# Altium PCB HYDRA_V2.1_POWER.PcbDoc (part 1 of 2) (continued)
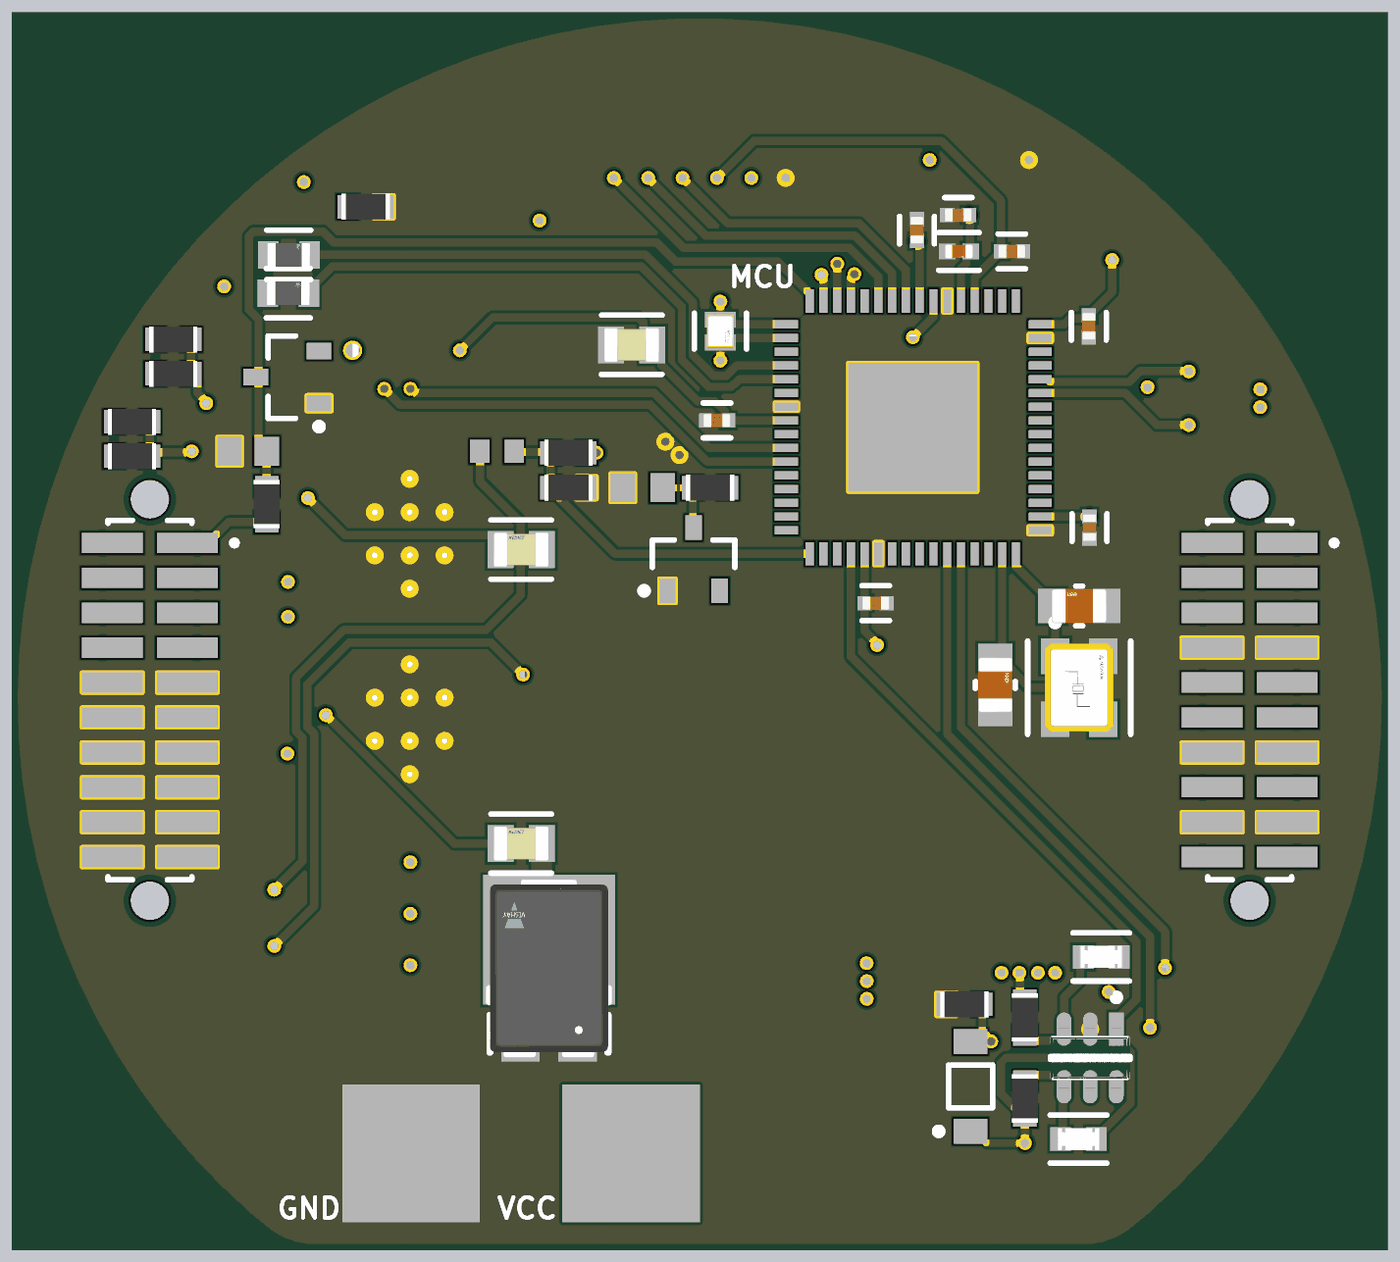
[diagram p6: 3D render of the assembled board from below, using the file's embedded part models]

## Layer stack, top to bottom
Top Solder: solder mask 0.0102, Solder Resist, Dk 3.5
Top Layer: signal copper 0.0356
Dielectric 2: prepreg 0.0711, PP-006, Dk 4.1
PWR: signal copper 0.035
Dielectric 1: dielectric 0.32, FR-4, Dk 4.8
GND: signal copper 0.035
Dielectric 3: prepreg 0.0711, PP-006, Dk 4.1
Bottom Layer: signal copper 0.0356
Bottom Solder: solder mask 0.0102, Solder Resist, Dk 3.5

## Board outline
-15.888,-19.298 ccw(c-13.96,-17) -13.96,-20 13.96,-20 ccw(c13.96,-17) 15.888,-19.298 15.868,-19.318 ccw(c0,0)

## Design rules (kind name [scope] priority, off if disabled: settings)
BoardOutlineClearance [All] p1: gap=0.2 ignorepadtopadclearanceinfootprint=FALSE
Clearance [All] p1: gap=0.102 ignorepadtopadclearanceinfootprint=FALSE except(0.127: Arc-Via Track-Via SMDPad-Via THPad-Via Via-Via Via-Fill Via-Poly Via-Region Via-Text; 0.25: Arc-Hole Track-Hole SMDPad-Hole THPad-Hole Via-Hole Fill-Hole Poly-Hole Region-Hole Text-Hole)
ComponentClearance [All] p1: gap=0.102 collisioncheckmode=3 verticalgap=0.102 showdistances=TRUE
DiffPairsRouting [All] p1: maxlimit=0.102 minlimit=0.102 mostfreqgap=0.102 toplayer_minwidth=0.102 toplayer_maxwidth=1816.048 toplayer_prefwidth=0.102 midlayer1_minwidth=0.102 midlayer1_maxwidth=1816.048 midlayer1_prefwidth=0.102 midlayer2_minwidth=0.102 midlayer2_maxwidth=1816.048 midlayer2_prefwidth=0.102 bottomlayer_minwidth=0.102 bottomlayer_maxwidth=1816.048 bottomlayer_prefwidth=0.102 maxuncoupledlength=12.7
Height [All] p1: minheight=0 maxheight=1816.048 prefheight=12.7
HoleSize [All] p1: absolutevalues=TRUE maxlimit=6.3 minlimit=0.2 maxpercent=80.000 minpercent=20.000
HoleToHoleClearance [All] p1: gap=0.25 allowstackedmicrovias=FALSE
MinimumAnnularRing [All] p1: minimumring=0.076
MinimumSolderMaskSliver [All] p1: minsoldermaskwidth=0
PlaneClearance [All] p1: clearance=0.102
PlaneConnect PlaneConnectPowerPads [InPadClass('PowerPads')] p1: planeconnectstyle=Direct reliefexpansion=0.508 reliefentries=4 reliefconductorwidth=0.254 reliefairgap=0.254
PlaneConnect [All] p2: pad.planeconnectstyle=Relief pad.reliefexpansion=0.3 pad.reliefentries=4 pad.reliefconductorwidth=0.102 pad.reliefairgap=0.102 via.planeconnectstyle=Direct via.reliefexpansion=0.3 via.reliefentries=4 via.reliefconductorwidth=0.127 via.reliefairgap=0.127
PolygonConnect PolygonConnectPowerPads [All vs (InPadClass('PowerPads'))] p1: connectstyle=Direct reliefconductorwidth=0.254 reliefentries=4 polygonreliefangle="90 Angle" airgapwidth=0.254
PolygonConnect [All] p2: thpad.connectstyle=Relief thpad.reliefconductorwidth=0.102 thpad.reliefentries=4 thpad.polygonreliefangle="90 Angle" thpad.airgapwidth=0.102 smdpad.connectstyle=Direct smdpad.reliefconductorwidth=0.102 smdpad.reliefentries=4 smdpad.polygonreliefangle="90 Angle" smdpad.airgapwidth=0.102 via.connectstyle=Direct via.reliefconductorwidth=0.127 via.reliefentries=4 via.polygonreliefangle="90 Angle" via.airgapwidth=0.127
RoutingVias [All] p1: holewidth=0.2 width=0.45 viastyle="Through Hole" minholewidth=0.2 minwidth=0.45 maxholewidth=6.3 maxwidth=6.55
SilkToSilkClearance [All] p1: silktosilkclearance=0
SilkToSolderMaskClearance [IsPad] p1: minsilkscreentomaskgap=0.102 clearancetoexposedcopper=TRUE
SolderMaskExpansion [All] p1: expansion=0.075 istentingtop=FALSE
Width [All] p1: maxlimit=1816.048 minlimit=0.102 preferedwidth=0.102
20 further rules are at their usual default settings.

## Classes and differential pairs
component class PWR_PROT: D11 D12 F1 F2 Q5 Q6 R28 R29 R30 R31 R32 R33 R34 R35 U8
component class 5V_REG: C18 C19 C20 C21 C22 C26 D3 D9 L3 R18 R19 R20 R22 TP11 U6
component class 3V3_REG: C23 C24 C25 C27 C28 C29 D4 D10 L4 R23 R24 R26 R27 TP15 U7
component class MCU_PINOUT: C1 C2 C3 C4 C5 C6 C7 C8 C9 C10 C11 C12 C13 C14 C17 D1 D2 D7 L1 L2 P3 R1 R2 R3 R4 R5 R6 R7 R8 R10 R21 R25 R36 R37 R38 SW1 TP1 TP2 TP3 TP4 TP5 TP6 TP7 TP8 TP12 TP13 U1 U2 U5 Y1 Y2
component class HYDRA_V2.1_POWER: J1 J2 J3 J4 PAD1 PAD2
differential pair CAN1_R: +CAN1_R_P -CAN1_R_N
differential pair CAN0_R: +CAN0_R_P -CAN0_R_N

## Components (designator, comment, footprint, x,y, rotation, side; value= is the part's Value field where it differs from the comment)
C1 "C0402C104K8PACTU" FP-C0402-BB-MFG -7.9,17.1 r90 bottom value="0.10 μF"
C2 "GRM155R60J475ME47D" FP-GRM155-0_1-IPC_B -9.425,16.325 r180 bottom
C3 "C0402C104K8PACTU" FP-C0402-BB-MFG -9.4,17.65 r0 bottom value="0.10 μF"
C4 "C0805C106K8PACTU" FP-C0805C-DG-MFG 2.475,12.925 r0 bottom value=10uF
C5 "C0402C104K8PACTU" FP-C0402-BB-MFG -14.15,13.6 r270 bottom value="0.10 μF"
C6 "C0402C104K8PACTU" FP-C0402-BB-MFG -0.625,10.175 r0 bottom value="0.10 μF"
C7 "C0402C104K8PACTU" FP-C0402-BB-MFG -14.175,6.275 r270 bottom value="0.10 μF"
C8 "C0402C104K8PACTU" FP-C0402-BB-MFG -6.4,3.525 r180 bottom value="0.10 μF"
C9 "08051A6R8CAT2A" FP-0805-L_2_01_0_2-W_1_25-MFG -10.75,0.55 r90 bottom
C10 "08051A6R8CAT2A" FP-0805-L_2_01_0_2-W_1_25-MFG -13.8,3.425 r0 bottom
C11 "C0402C104K8PACTU" FP-C0402-BB-MFG -11.35,16.325 r180 bottom value="0.10 μF"
C12 "C0402C104K8PACTU" FP-C0402-BB-MFG -16.286,10.982 r90 top value="0.10 μF"
C13 "C0805C180J5GACTU" FP-C0805C-DN-MFG -1.5,14.5 r180 top value="18 pF"
C14 "C0805C180J5GACTU" FP-C0805C-DN-MFG -1.5,12.35 r180 top value="18 pF"
C17 "C0402C104K8PACTU" FP-C0402-BB-MFG -14.875,-11.025 r90 top value="0.10 μF"
C18 "C0805C103J5RACTU" FP-C0805C-DN-MFG 6.496,5.475 r180 bottom value="10,000 pF"
C19 "10TPC68M" FP-POSCAP-D2-MFG -13,6.9 r270 top
C20 "C2012X5R1V156M125AC" FP-C2012-125-0_2-MFG 14.975,2.1 r270 top
C21 "C2012X5R1V156M125AC" FP-C2012-125-0_2-MFG 15,-1.025 r90 top
C22 "10TPC68M" FP-POSCAP-D2-MFG -7.8,6.9 r270 top
C23 "10TPC68M" FP-POSCAP-D2-MFG -13,-2.95 r90 top
C24 "10TPC68M" FP-POSCAP-D2-MFG -7.8,-2.95 r90 top
C25 "C0805C103J5RACTU" FP-C0805C-DN-MFG 6.496,-5.225 r180 bottom value="10,000 pF"
C26 "C2012X5R1V156M125AC" FP-C2012-125-0_2-MFG 9.6,-9.65 r180 top
C27 "C2012X5R1V156M125AC" FP-C2012-125-0_2-MFG 9.6,-7.775 r180 top
C28 "C2012X5R1V156M125AC" FP-C2012-125-0_2-MFG 9.6,-5.9 r180 top
C29 "C2012X5R1V156M125AC" FP-C2012-125-0_2-MFG 14.975,5.225 r90 top
D1 "150066RG54050" WL-SBCD_0606 13.6,18.4 r90 top
D2 "150066RG54050" WL-SBCD_0606 16.5,15.5 r90 top
D3 "150066RG54050" WL-SBCD_0606 20.5,9.5 r90 top
D4 "150066RG54050" WL-SBCD_0606 19,12.5 r90 top
D7 "BZX84-A3V3,215" SOT95P230X110-3N 15,11.75 r0 bottom
D9 "SS5P10-M3/86A" FP-95570-MFG 3.915,13.415 r270 top
D10 "SS5P10-M3/86A" FP-95570-MFG 5.485,-9.76 r180 bottom
D11 "MMSZ5242BT1G" ONSC-SOD-123-2-425-04_V -9.85,-14.06 r90 bottom
D12 "BZX84-A3V3,215" SOT95P230X110-3N 0.225,5.125 r90 bottom
F1 "0466005.NR" FP-0466-MFG -7.4,-10.225 r0 top value=0.011Ω
F2 "0451010.MRL" LFUS-45X_V -3.225,-15.55 r90 top
J1 "SFML-110-02-L-D-A" SFML-110-02-L-D-A-Footprint-1 -20,0 r270 bottom
J2 "SFML-110-02-L-D-A" SFML-110-02-L-D-A-Footprint-1 20,0 r270 bottom
J3 "TFML-110-02-L-D-A" TFML-110-02-L-D-A-Footprint-1 -20,0 r270 top
J4 "TFML-110-02-L-D-A" TFML-110-02-L-D-A-Footprint-1 20,0 r270 top
L1 "NR6028T100M" FP-NR6028-MFG 11.075,12.725 r180 top
L2 "NR6028T100M" FP-NR6028-MFG -7.75,15.55 r90 top
L3 "IHLP4040DZER220M11" FP-IHLP-4040DZ-FP_3_124x3-MFG 1.275,5.475 r180 top
L4 "IHLP4040DZER220M11" FP-IHLP-4040DZ-FP_3_124x3-MFG 1.275,-5.225 r180 top
P3 "0532610671" 0532610671-Footprint-1 0,19 r180 top locked
PAD1 "HIGH CURRENT PAD" "HIGH CURRENT PAD-Footprint-1" 0,-19 r0 top
PAD2 "HIGH CURRENT PAD" "HIGH CURRENT PAD-Footprint-1" 8,-19 r0 top
Q5 "SISH615ADN-T1-GE3" SISH615ADN-T1-GE3-Footprint-1 -7.125,-17.275 r270 top
Q6 "SISH615ADN-T1-GE3" SISH615ADN-T1-GE3-Footprint-1 -7.125,-13.387 r270 top
R1 "ERJ3EKF1002V" RESC1609X55X30LL15T15 5.175,18.675 r0 top
R2 "ERJ-3EKF1200V" RESC1609X55X30ML15T15 -18.536,13.632 r0 top
R3 "CRCW060351R0FKEA" FP-CRCW0603-e3-MFG 14.95,16.2 r180 bottom
R4 "ERJ-3EKF3300V" RESC1608X55X30LL15T15#1 7.5,17.45 r0 top
R5 "CRCW060351R0FKEA" FP-CRCW0603-e3-MFG 14.966,14.805 r180 bottom
R6 "ERJ3EKF1002V" RESC1609X55X30LL15T15 5.175,17.45 r180 top
R7 "ERJ-3EKF1200V" RESC1609X55X30ML15T15 -17.1,-13.6 r180 top
R8 "ERJ-3EKF3300V" RESC1608X55X30LL15T15#1 12.15,17.95 r180 bottom
R10 "CRCW060351R0FKEA" FP-CRCW0603-e3-MFG 7.825,19.475 r90 top
R18 "ERJ-3EKF3300V" RESC1608X55X30LL15T15#1 20.65,8.875 r0 bottom
R19 "ERJ-3EKF3300V" RESC1608X55X30LL15T15#1 20.65,10.125 r0 bottom
R20 "ERJ3EKF1002V" RESC1609X55X30LL15T15 -0.85,16.575 r0 top
R21 "ERJ3EKF1002V" RESC1609X55X30LL15T15 15.75,7.125 r270 bottom
R22 "ERJ3EKF1002V" RESC1609X55X30LL15T15 -2.975,16.575 r0 top
R23 "ERJ-3EKF3300V" RESC1608X55X30LL15T15#1 19.15,11.875 r0 bottom
R24 "ERJ-3EKF3300V" RESC1608X55X30LL15T15#1 19.15,13.125 r0 bottom
R25 "CRCW06032K70JNEA" RESC1609X50X30ML10T20 16.425,9.05 r180 bottom
R26 "ERJ3EKF1002V" RESC1609X55X30LL15T15 -9.014,19.652 r0 top
R27 "ERJ3EKF1002V" RESC1609X55X30LL15T15 -11.325,19.65 r0 top
R28 "CRE2512-FZ-R008E-3" CRF2512-FZ-R005ELF-Footprint-1 -11.825,-13.025 r90 top
R29 "ERJ3EKF1002V" RESC1609X55X30LL15T15 -0.375,7.725 r0 bottom
R30 "ERJ3EKF1002V" RESC1609X55X30LL15T15 -9.625,-11.075 r0 bottom
R31 "ERJ-3EKF2001V" RESC1608X55X30ML15T15 2.075,7.725 r180 bottom
R32 "ERJ-3EKF1004V" FP-ERJ3EK-IPC_C -13.775,-15.975 r180 bottom
R33 "ERJ3EKF1002V" RESC1609X55X30LL15T15 -11.825,-14.5 r90 bottom
R34 "ERJ3EKF1002V" RESC1609X55X30LL15T15 -11.825,-11.55 r270 bottom
R35 "ERJ-3EKF1004V" FP-ERJ3EK-IPC_C -14.6,-9.35 r0 bottom
R36 "ERJ-3EKF1001V" RESC1608X55X30LL15T15#2 7.375,9.05 r180 bottom
R37 "ERJ3EKF1002V" RESC1609X55X30LL15T15 4.775,7.725 r0 bottom
R38 "ERJ3EKF1002V" RESC1609X55X30LL15T15 4.775,9 r0 bottom
SW1 "KXT331LHS" FP-KXT331LHS-MFG 10,18.7 r90 top locked
TP1 "TPAD6R" TP06R#1 -22.125,24.7 r90 top
TP2 "TPAD6R" TP06R#2 -14.025,15.8 r90 top
TP3 "TPAD6R" TP06R#3 -22.85,24.45 r90 top
TP4 "TPAD6R" TP06R#4 -23.975,22.625 r90 top
TP5 "TPAD6R" TP06R#5 -38.125,8.35 r90 top
TP6 "TPAD6R" TP06R#6 -35.9,-8.775 r90 top
TP7 "TPAD6R" TP06R#7 -26.95,8.225 r90 top
TP8 "TPAD6R" TP06R#8 -44.463,-8.725 r90 top
TP11 "TPAD6R" TP06R#9 15.475,-7 r90 top
TP12 "TPAD6R" TP06R#10 15.1,-0.26 r90 top
TP13 "TPAD6R" TP06R#11 30.075,-2.805 r90 top
TP15 "TPAD6R" TP06R#12 15.475,-9 r90 top
U1 "SAM_E51_64VQFN" SAM_E51_64VQFN-Footprint-1 -4,5.325 r180 bottom
U2 "TCAN330GDCNR" FP-DCN0008A-MFG -19.086,10.982 r180 top
U5 "TCAN330GDCNR" FP-DCN0008A-MFG -17.675,-10.95 r180 top
U6 "LM2678SD-5.0/NOPB" NHM0014A_V 10.55,6.05 r180 top
U7 "LM2678SD-3.3/NOPB" NHM0014A_V 10.55,-0.7 r180 top
U8 "TLV1805DBVR" FP-DBV0006A-IPC_C -14.2,-13.025 r270 bottom
Y1 "ABM8-48.000MHZ-B2-T" FP-ABM8-MFG -13.8,0.45 r270 bottom
Y2 "ECS-.327-12.5-1210-TR" FP-ECX-1210-MFG -0.75,13.425 r270 bottom

## Footprints (in the part's own frame and the unit in brackets; to place one, negate y for a bottom-side part, rotate by r counter-clockwise, add the part's x,y. Pads: shape width x height; smd on the part's side, far side on the other; paste and mask are expansions set on the pad)
0532610671-Footprint-1 [mm]
  rect 0.8x1.6 smd: 1(-3.125,0) 2(-1.875,0) 3(-0.625,0) 4(0.625,0) 5(1.875,0) 6(3.125,0)
  rect 2.1x3 smd: S1(-5.675,-2.9) S2(5.675,-2.9)
  silkscreen extent -6.12,-5 6.12,1.4
CRF2512-FZ-R005ELF-Footprint-1 [mm]
  rect 1.45x3.5 smd paste+0 mask+0: 1(-3.1,0) 2(3.1,0)
  silkscreen extent -2,-1.65 2,1.65, body extent -3.92,-1.85 3.93,1.85, height 0.25
FP-0466-MFG [mil]
  rect 45x80 smd paste+0 mask+0: 1(-52.5,0) 2(52.5,0)
  silkscreen extent -15,-32 15,32, body extent -79,-44 79,44, height 10
FP-0805-L_2_01_0_2-W_1_25-MFG [mm]
  rect 1x1.25 smd paste+0 mask+0: 1(-1,0) 2(1,0)
  silkscreen extent -0.13,-0.72 0.13,0.72, body extent -1,-0.63 1,0.63, height 0.94
FP-95570-MFG [mm]
  rect 1.4x1.27 smd paste+0 mask+0: 1(1.04,-2.765) 2(-1.04,-2.765)
  rect 4.8x4.72 smd paste+0 mask+0: 3(0,1.04)
  silkscreen extent -2.17,-3.08 2.17,-1.7, body extent -2.5,-3.5 2.5,3.5, height 0.25
FP-ABM8-MFG [mm]
  rect 1.3x1.05 smd paste+0 mask+0: 1(-1.15,-0.875) 2(1.15,-0.875) 3(1.15,0.875) 4(-1.15,0.875)
  silkscreen extent -2.5,-1.88 1.7,1.88, body extent -1.6,-1.25 1.6,1.25, height 0.8
FP-C0402-BB-MFG [mm]
  rect 0.52x0.52 smd paste+0 mask+0: 1(-0.4,0) 2(0.4,0)
  silkscreen extent -0.5,-0.64 0.5,0.64, body extent -0.5,-0.25 0.5,0.25, height 0.55
FP-C0805C-DG-MFG [mm]
  rect 0.95x1.35 smd paste+0 mask+0: 1(-0.75,0) 2(0.75,0)
  silkscreen extent -1.11,-1.08 1.1,1.07, body extent -1,-0.63 1,0.63, height 1.4
FP-C0805C-DN-MFG [mm]
  rect 0.95x1.35 smd paste+0 mask+0: 1(-0.75,0) 2(0.75,0)
  silkscreen extent -1.1,-1.07 1.1,1.07, body extent -1.4,-0.85 1.4,0.85, height 0.25
FP-C2012-125-0_2-MFG [mm]
  rect 0.8x1.05 smd paste+0 mask+0: 1(-0.925,0) 2(0.925,0)
  silkscreen extent -0.15,-0.72 0.15,0.72, body extent -1.43,-0.82 1.43,0.82, height 0.25
FP-CRCW0603-e3-MFG [mm]
  rect 0.75x1 smd paste+0 mask+0: 1(-0.75,0) 2(0.75,0)
  silkscreen extent -0.8,-0.9 0.8,0.9, body extent -0.77,-0.43 0.77,0.43, height 0.5
FP-DBV0006A-IPC_C [mm]
  rect 1.205x0.53 smd paste+0 mask+0: 1(-1.05,0.95)
  rrect100% 1.205x0.53 smd paste+0 mask+0: 2(-1.05,0) 3(-1.05,-0.95) 4(1.05,-0.95) 5(1.05,0) 6(1.05,0.95)
  silkscreen extent -2.33,-1.45 0.05,1.45, body extent -1.4,-1.45 1.4,1.45, height 1.45
FP-DCN0008A-MFG [mm]
  rect 1.1x0.45 smd paste+0 mask+0: 1(-1.3,0.975) 2(-1.3,0.325) 3(-1.3,-0.325) 4(-1.3,-0.975) 5(1.3,-0.975) 6(1.3,-0.325) 7(1.3,0.325) 8(1.3,0.975)
  silkscreen extent -2.55,-1.5 0.38,1.5, body extent -1.95,-1.85 1.95,1.85, height 0.25
FP-ECX-1210-MFG [mm]
  rect 0.575x1.14 smd paste+0 mask+0: 1(-0.413,0) 2(0.413,0)
  silkscreen extent -0.65,-0.95 0.65,0.95, body extent -0.6,-0.5 0.6,0.5, height 0.5
FP-ERJ3EK-IPC_C [mm]
  rect 0.757x0.862 smd paste+0 mask+0: 1(-0.651,0) 2(0.651,0)
  silkscreen extent -1.03,-0.87 1.03,0.87, body extent -0.8,-0.4 0.8,0.4, height 0.55
FP-GRM155-0_1-IPC_B [mm]
  rect 0.615x0.572 smd paste+0 mask+0: 1(-0.429,0) 2(0.429,0)
  silkscreen extent -0.74,-0.69 0.74,0.69, body extent -0.5,-0.25 0.5,0.25, height 0.6
FP-IHLP-4040DZ-FP_3_124x3-MFG [mm]
  rect 3.124x3.251 smd paste+0 mask+0: 1(-4.47,0) 2(4.47,0)
  silkscreen extent -5.14,-5.14 5.14,5.14, body extent -6.13,-5.24 6.13,5.24, height 0.25
FP-KXT331LHS-MFG [mm]
  rect 0.55x1.5 smd paste+0 mask+0: 1(-1.625,0) 2(1.625,0)
  silkscreen extent -1.65,-1.15 1.65,1.15, body extent -2,-1.25 2,1.25, height 0.25
FP-NR6028-MFG [mm]
  rect 1.6x5.7 smd paste+0 mask+0: 1(-2.35,0) 2(2.35,0)
  silkscreen extent -1.17,-3.1 1.17,3.1, body extent -3.25,-3.2 3.25,3.2, height 0.25
FP-POSCAP-D2-MFG [mm]
  rect 2.4x2.9 smd paste+0 mask+0: 1(-3.05,0) 2(3.05,0)
  silkscreen extent -3.75,-2.25 5.23,2.25, body extent -4.35,-2.35 4.35,2.35, height 0.25
"HIGH CURRENT PAD-Footprint-1" [mm]
  round 0.5 hole 0.3: 1(1,1) 1(1,2) 1(1,3) 1(1,4) 1(2,1) 1(2,2) 1(2,3) 1(2,4) 1(3,1) 1(3,2) 1(3,3) 1(3,4) 1(4,1) 1(4,2) 1(4,3) 1(4,4)
  Top Layer region: 0,0 5,0 5,5 0,5
  Bottom Layer region: 0,0 5,0 5,5 0,5
LFUS-45X_V [mm] "SMD, 2-Leads, Body 6.1x2.69mm"
  rect 1.96x3.15 smd: 1(-2.455,0) 2(2.455,0)
  silkscreen extent -1.07,-1.35 1.07,1.35, body extent -3.05,-1.34 3.05,1.34, height 2.94
NHM0014A_V [mm] "SON, 14-Leads, Body 5x6mm, Pitch 0.8mm, Thermal Pad 5x3.2mm, TI Recommend"
  rrect25% 0.8x0.4 smd: 1(-2.3,2.4) 2(-2.3,1.6) 3(-2.3,0.8) 4(-2.3,0) 5(-2.3,-0.8) 6(-2.3,-1.6) 7(-2.3,-2.4) 8(2.3,-2.4) 9(2.3,-1.6) 10(2.3,-0.8) 11(2.3,0) 12(2.3,0.8) 13(2.3,1.6) 14(2.3,2.4)
  rrect3% 3.2x5 smd paste-1.6: 15(0,0)
  silkscreen extent -3,-3.05 2.55,3.1, body extent -2.5,-3 2.5,3, height 1
ONSC-SOD-123-2-425-04_V [mm] "SOD, 2-Leads, Body 2.69x1.6mm"
  rect 0.91x1.22 smd: 1(-1.635,0) 2(1.635,0)
  silkscreen extent -1.76,-0.8 0.78,1.29, body extent -1.35,-0.8 1.35,0.8, height 1.35
RESC1608X55X30LL15T15#1 [mm] "Chip Resistor, 2-Leads, Body 1.75x0.95mm, IPC High Density"
  rect 0.75x0.85 smd: 1(-0.65,0) 2(0.65,0)
  body extent -0.87,-0.48 0.87,0.48, height 0.55
RESC1608X55X30LL15T15#2 [mm] "Chip Resistor, 2-Leads, Body 1.60x0.80mm, IPC High Density"
  rect 0.7x0.85 smd: 1(-0.625,0) 2(0.625,0)
  body extent -0.87,-0.48 0.87,0.48, height 0.55
RESC1608X55X30ML15T15 [mm] "Chip Resistor, 2-Leads, Body 1.60x0.80mm, IPC Low Density"
  rect 0.9x1.05 smd: 1(-0.725,0) 2(0.725,0)
  body extent -0.87,-0.48 0.87,0.48, height 0.55
RESC1609X50X30ML10T20 [mm] "Chip Resistor, 2-Leads, Body 1.55x0.85mm, IPC Low Density"
  rect 0.9x1.05 smd: 1(-0.675,0) 2(0.675,0)
  body extent -0.82,-0.48 0.82,0.48, height 0.5
RESC1609X55X30LL15T15 [mm] "Chip Resistor, 2-Leads, Body 1.75x0.95mm, IPC High Density"
  rect 0.75x0.85 smd: 1(-0.65,0) 2(0.65,0)
  body extent -0.87,-0.48 0.87,0.48, height 0.55
RESC1609X55X30ML15T15 [mm] "Chip Resistor, 2-Leads, Body 1.75x0.95mm, IPC Low Density"
  rect 1.15x1.05 smd: 1(-0.85,0) 2(0.85,0)
  body extent -0.87,-0.48 0.87,0.48, height 0.55
SAM_E51_64VQFN-Footprint-1 [mm]
  rect 0.85x0.3 smd: 1(-0.85,8.35) 2(-0.85,7.85) 3(-0.85,7.35) 4(-0.85,6.85) 5(-0.85,6.35) 6(-0.85,5.85) 7(-0.85,5.35) 8(-0.85,4.85) 9(-0.85,4.35) 10(-0.85,3.85) 11(-0.85,3.35) 12(-0.85,2.85) 13(-0.85,2.35) 14(-0.85,1.85) 15(-0.85,1.35) 16(-0.85,0.85) 33(8.382,0.85) 34(8.382,1.35) 35(8.382,1.85) 36(8.382,2.35) 37(8.382,2.85) 38(8.382,3.35) 39(8.382,3.85) 40(8.382,4.35) 41(8.382,4.85) 42(8.382,5.35) 43(8.382,5.85) 44(8.382,6.35) 45(8.382,6.85) 46(8.382,7.35) 47(8.382,7.85) 48(8.382,8.35)
  rect 0.3x0.85 smd: 17(0,0) 18(0.5,0) 19(1,0) 20(1.5,0) 21(2,0) 22(2.5,0) 23(3,0) 24(3.5,0) 25(4,0) 26(4.5,0) 27(5,0) 28(5.5,0) 29(6,0) 30(6.5,0) 31(7,0) 32(7.5,0) 49(7.5,9.2) 50(7,9.2) 51(6.5,9.2) 52(6,9.2) 53(5.5,9.2) 54(5,9.2) 55(4.5,9.2) 56(4,9.2) 57(3.5,9.2) 58(3,9.2) 59(2.5,9.2) 60(2,9.2) 61(1.5,9.2) 62(1,9.2) 63(0.5,9.2) 64(0,9.2)
  rect 4.7x4.7 smd: 65(3.75,4.6)
SFML-110-02-L-D-A-Footprint-1 [mm]
  rect 0.74x2.22 smd: 01(-5.715,1.365) 02(-5.715,-1.365) 03(-4.445,1.365) 04(-4.445,-1.365) 05(-3.175,1.365) 06(-3.175,-1.365) 07(-1.905,1.365) 08(-1.905,-1.365) 09(-0.635,1.365) 10(-0.635,-1.365) 11(0.635,1.365) 12(0.635,-1.365) 13(1.905,1.365) 14(1.905,-1.365) 15(3.175,1.365) 16(3.175,-1.365) 17(4.445,1.365) 18(4.445,-1.365) 19(5.715,1.365) 20(5.715,-1.365)
  round 1.4 hole 1.4 unplated: ""(-7.305,0) ""(7.305,0)
  silkscreen extent -6.54,-1.53 6.54,3.17
SISH615ADN-T1-GE3-Footprint-1 [mm]
  rect 0.35x0.5 smd paste+0 mask+0: 1(-0.937,-1.4) 2(-0.288,-1.4) 3(0.363,-1.4) 4(1.012,-1.4)
  round 0.025 smd: 5-6-7-8(0.038,0.51)
  Top Layer region: -1.187,-0.63 -1.187,-0.215 -1.568,-0.215 -1.568,0.215 -1.187,0.215 -1.187,1.35 -1.137,1.35 -1.137,1.65 -0.737,1.65 -0.737,1.35 -0.487,1.35 -0.487,1.65 -0.088,1.65 -0.088,1.35 0.163,1.35 0.163,1.65 0.563,1.65 0.563,1.35 0.813,1.35 0.813,1.65 1.212,1.65 1.212,1.35 1.262,1.35 1.262,0.215 1.643,0.215 1.643,-0.215 1.262,-0.215 1.262,-0.63
  silkscreen extent -1.51,-2.37 1.59,-1.01, body extent -1.67,-1.75 1.74,1.75, height 0.25
SOT95P230X110-3N [mm] "SOT23, 3-Leads, Body 2.90x2.30mm, Pitch 0.95mm, IPC Medium Density"
  rect 0.9x0.6 smd: 1(-1.15,0.95) 2(-1.15,-0.95) 3(1.15,0)
  silkscreen extent -1.27,-1.5 0.7,1.92, body extent -0.7,-1.5 0.7,1.5, height 1.1
TFML-110-02-L-D-A-Footprint-1 [mm]
  rect 0.74x2.92 smd: 01(-5.715,-1.715) 02(-5.715,1.715) 03(-4.445,-1.715) 04(-4.445,1.715) 05(-3.175,-1.715) 06(-3.175,1.715) 07(-1.905,-1.715) 08(-1.905,1.715) 09(-0.635,-1.715) 10(-0.635,1.715) 11(0.635,-1.715) 12(0.635,1.715) 13(1.905,-1.715) 14(1.905,1.715) 15(3.175,-1.715) 16(3.175,1.715) 17(4.445,-1.715) 18(4.445,1.715) 19(5.715,-1.715) 20(5.715,1.715)
  round 1.4 hole 1.4 unplated: ""(-7.305,0) ""(7.305,0)
  silkscreen extent -7.94,-3.8 7.94,2.86
TP06R#1 [mm] "Testpoint, round, d=0.6mm"
  round 0.6 smd paste-1: 1(-8.7,-9.125)
TP06R#2 [mm] "Testpoint, round, d=0.6mm"
  round 0.6 smd paste-1: 1(-1.8,-1.025)
TP06R#3 [mm] "Testpoint, round, d=0.6mm"
  round 0.6 smd paste-1: 1(-8.45,-7.85)
TP06R#4 [mm] "Testpoint, round, d=0.6mm"
  round 0.6 smd paste-1: 1(-8.625,-8.975)
TP06R#5 [mm] "Testpoint, round, d=0.6mm"
  round 0.6 smd paste-1: 1(0.4,-19.625)
TP06R#6 [mm] "Testpoint, round, d=0.6mm"
  round 0.6 smd paste-1: 1(0.025,-13.9)
TP06R#7 [mm] "Testpoint, round, d=0.6mm"
  round 0.6 smd paste-1: 1(0.525,-4.95)
TP06R#8 [mm] "Testpoint, round, d=0.6mm"
  round 0.6 smd paste-1: 1(-0.025,-25.963)
TP06R#9 [mm] "Testpoint, round, d=0.6mm"
  round 0.6 smd paste-1: 1(0.1,0)
TP06R#10 [mm] "Testpoint, round, d=0.6mm"
  round 0.6 smd paste-1: 1(-4.24,-0.4)
TP06R#11 [mm] "Testpoint, round, d=0.6mm"
  round 0.6 smd paste-1: 1(-2.695,14.575)
TP06R#12 [mm] "Testpoint, round, d=0.6mm"
  round 0.6 smd paste-1: 1(0.05,0)
WL-SBCD_0606 [mm] "SMT Bi-color Chip LED Diffuesed, body 1.5x1.6mm"
  rect 0.5x0.8 smd: 1(-0.45,0.8) 2(-0.45,-0.8) 3(0.45,-0.8) 4(0.45,0.8)
  silkscreen extent -0.07,1.47 0.07,1.62, body extent -0.75,-0.8 0.75,0.8, height 0.55

## Part data
C1 C3 C5 C6 C7 C8 C11 C12 C17: library part CMP-2008-02046-2, "CAP CER 0.1UF 10V X5R 0402", Capacitance="0.10 μF", Manufacturer=Kemet, Package=C0402-BB, Temperature="-55°C to +125°C", Temperature Characteristic=X5R, Temperature Coefficient=15%, Temperature Range High=+125°C, Temperature Range Low=-55°C, Tolerance=0.1, Voltage Rating="10 V", Automotive=No, Category=Cap, ComponentLink2Description=Datasheet, ComponentLink2URL=https://content.kemet.com/datasheets/KEM_C1002_X7R_SMD.pdf, Device Class L1="Passive Components", Device Class L2=Capacitors, Device Class L3="Ceramic Capacitors", Digikey Description="CAP CER 0.1UF 10V X5R 0402", Height=0.55mm, Ipc Land Pattern Name=CAPC10050X50, Lead Free=Yes, Manufacturer Part Number=C0402C104K8PACTU, Material=Ceramic, Mouser Description="Capacitor 100 nF 10 VDC 0402", Octopart=https://octopart.com/c0402c104k8pactu-kemet-140039, RoHS=TRUE
C2: library part CMP-2008-04549-2, "Chip Multilayer Ceramic Capacitors for General Purpose, 0402, 4.7uF, X5R, 15%, 20%, 6.3V", Capacitance=4.7uF, Case Code (Imperial)=0402, Case Code (Metric)=1005, Dielectric=X5R, Max Operating Temperature=85°C, Min Operating Temperature=-55°C, Package Quantity=10000, Tolerance=20%, Voltage=6.3V, Case/Package=0402, Contact Plating=Tin, Depth=0.5mm, Height=0.5mm, Lead Free="Lead Free", Length=1mm, Mount="Surface Mount", Packaging="Tape and Reel", REACH SVHC="No SVHC", Termination=SMD/SMT, Thickness=0.022inch, Voltage Rating=6.3V, Voltage Rating (DC)=6.3V, Weight=0.000212oz, Width=0.02inch
C4: library part CMP-2007-03243-2, "CAP CER 10UF 10V X5R 0805", 3DS Part Number=220-00001, Capacitance=10uF, Manufacturer=Kemet, Package=C0805C-DG, Temperature="-55°C to +85°C", Temperature Characteristic=X5R, Temperature Coefficient=15%, Temperature Range High=+85°C, Temperature Range Low=-55°C, Tolerance=10%, Voltage=10V, Automotive=No, Category=Cap, ComponentLink2Description=Datasheet, ComponentLink2URL=https://content.kemet.com/datasheets/KEM_C1006_X5R_SMD.pdf, Device Class L1="Passive Components", Device Class L2=Capacitors, Device Class L3="Ceramic Capacitors", Digikey Description="CAP CER 10UF 10V X5R 0805", Height=1.4mm, Ipc Land Pattern Name=CAPC200125X125, Lead Free=Yes, Manufacturer Part Number=C0805C106K8PACTU, Material=Ceramic, Mouser Description="CAP CER 10UF 10V X5R 0805", Octopart=https://octopart.com/c0805c106k8pactu-kemet-98697, RoHS=TRUE, Voltage Rating=10V
C9 C10: library part CMP-1036-00709-3, "General Purpose Ceramic Capacitor, 0805, 6.8pF, 0.25pF, C0G, 30ppm/°C, 100V", Capacitance=6.8pF, Case Code (Imperial)=0805, Case Code (Metric)=2012, Dielectric=C0G, Dielectric Material=Ceramic, Insulation Resistance=100GR, Max Operating Temperature=125°C, Min Operating Temperature=-55°C, Package Quantity=1, Temperature Coefficient=0ppm/°C, Tolerance=5%, Voltage=100V, Case/Package=0805, Construction=Flat, Contact Plating=Tin, Depth=1.25mm, Dissipation Factor=10%, Height=0.71mm, Lead Free="Lead Free", Length=2.01mm, Mount="Surface Mount", Number of Pins=2, Packaging="Tape and Reel", Radiation Hardening=No, REACH SVHC="No SVHC", RoHS Compliant=Yes, Series=-, Termination=SMD/SMT, Thickness=0.037inch, Voltage Rating=100V, Voltage Rating (DC)=100V, Width=0.049inch
C13 C14: library part CMP-2007-00302-2, "CAP CER 18PF 50V C0G/NP0 0805", Capacitance="18 pF", Manufacturer=KEMET, Package=C0805C-DN, Temperature="-55°C to +125°C", Temperature Characteristic=C0G, Temperature Coefficient=30ppm/°C, Temperature Range High=+125°C, Temperature Range Low=-55°C, Tolerance=0.05, Voltage Rating="50 V", Automotive=No, Category=Cap, ComponentLink2Description=Datasheet, ComponentLink2URL=https://content.kemet.com/datasheets/KEM_C1003_C0G_SMD.pdf, Device Class L1="Passive Components", Device Class L2=Capacitors, Device Class L3="Ceramic Capacitors", Digikey Description="CAP CER 18PF 50V C0G/NP0 0805", Height=0.88mm, Ipc Land Pattern Name=CAPC200125X78, Lead Free=Yes, Manufacturer Part Number=C0805C180J5GACTU, Material=Ceramic, Mouser Description="Cap Ceramic 18pF 50V C0G 5% SMD 0805 125C Paper T/R", Octopart=https://octopart.com/c0805c180j5gactu-kemet-144810, RoHS=TRUE
C18 C25: library part CMP-2007-00254-2, "CAP CER 10000PF 50V X7R 0805", Capacitance="10,000 pF", Manufacturer=KEMET, Package=C0805C-DN, Temperature="-55°C to +125°C", Temperature Characteristic=X7R, Temperature Coefficient=30ppm/°C, Temperature Range High=+125°C, Temperature Range Low=-55°C, Tolerance=0.05, Voltage Rating="50 V", Automotive=No, Category=Cap, ComponentLink2Description=Datasheet, ComponentLink2URL=https://content.kemet.com/datasheets/KEM_C1003_C0G_SMD.pdf, Device Class L1="Passive Components", Device Class L2=Capacitors, Device Class L3="Ceramic Capacitors", Digikey Description="CAP CER 10000PF 50V X7R 0805", Height=0.88mm, Ipc Land Pattern Name=CAPC200125X78, Lead Free=Yes, Manufacturer Part Number=C0805C103J5RACTU, Material=Ceramic, Mouser Description="Capacitor; Ceramic; Cap 0.01uF; Tol 5%; Vol-Rtg 50 V; SMT; Case 0805; X7R; TR", Octopart=https://octopart.com/c0805c103j5ractu-kemet-133473, RoHS=TRUE
C19 C22 C23 C24: library part CMP-05428-000598-1, "Molded Tantalum Polymer Capacitor 68uF 20% 10V life 2000Hours SMD 2917", Capacitance=68uF, Case Code (Imperial)=2917, Case Code (Metric)=7343, ESR (Equivalent Series Resistance)=45mR, Leakage Current=68uA, Max Operating Temperature=105°C, Min Operating Temperature=-55°C, Package Quantity=3000, Ripple Current=1.7A, Tolerance=20%, Voltage=10V, Case/Package=2917, Construction=Flat, Depth=4.3mm, Dissipation Factor=10%, Features="General Purpose", Height=1.9mm, Height - Seated (Max)=0.079inch, Lead Free="Lead Free", Length=7.3mm, Material=Polymer, Mount="Surface Mount", Number of Pins=2, Packaging="Tape and Reel", Polarity=Polar, Radiation Hardening=No, REACH SVHC="No SVHC", RoHS Compliant=Yes, Series="POSCAP™ TPC", Termination=SMD/SMT, Voltage Rating=10V, Voltage Rating (DC)=10V, Width=4.3mm
C20 C21 C26 C27 C28 C29: library part CMP-08246-005496-1, "Multilayer Ceramic Capacitors 15μF ±20% 35V X5R SMD 0805", Capacitance=15uF, Case Code (Imperial)=0805, Case Code (Metric)=2012, Dielectric=X5R, Dielectric Material=Ceramic, Max Operating Temperature=85°C, Min Operating Temperature=-55°C, Package Quantity=2000, Tolerance=20%, Voltage Rating=35V, Case/Package=0805, Height=1.25mm, Lead Free="Lead Free", Length=0.079inch, Mount="Surface Mount", Packaging="Tape and Reel", Resistor Type=Ceramic, RoHS Compliant=Yes, Series=C, Termination=SMD/SMT, Thickness=0.057inch, Voltage Rating (DC)=35V, Width=0.049inch
D1 D2 D3 D4: library part CMP-004-00034-2, "Led, Red/Grn, 180Mcd/230Mcd, 624Nm/525Nm Rohs Compliant: Yes"
D7 D12: library part CMP-004-00035-1, "DIODE ZENER 3.3V 250MW SOT23"
D9 D10: library part CMP-02539-000057-1, "DIODE SCHOTTKY 100V 5A TO277A", Average Rectified Current=5A, Case/Package=TO-277A, Forward Voltage=880mV, Max Forward Surge Current (Ifsm)=150A, Max Operating Temperature=150°C, Max Repetitive Reverse Voltage (Vrrm)=100V, Max Reverse Current=15uA, Min Operating Temperature=-55°C, Package Quantity=1500, Element Configuration="Common Cathode", Forward Current=5A, Height=0.031inch, Lead Free="Lead Free", Length=0.242inch, Max Reverse Leakage Current=15uA, Max Reverse Voltage (DC)=100V, Max Surge Current=150A, Mount="Surface Mount", Number of Pins=3, Packaging="Tape and Reel", Peak Non-Repetitive Surge Current=150A, Radiation Hardening=No, RoHS Compliant=Yes, Series=eSMP®, Width=0.171inch
D11: library part CMP-1060-00565-1, "Zener Voltage Regulator, 500 mW, 2-Pin SOD-123, Pb-Free, Tape and Reel", Manufacturer="On Semiconductor", ComponentLink1Description="Manufacturer URL", ComponentLink1URL=http://www.onsemi.com/, ComponentLink2Description=Datasheet, ComponentLink2URL=http://www.onsemi.com/pub_link/Collateral/MMSZ5221BT1-D.PDF, ComponentLink3Description="Package Specification", ComponentLink3URL=http://www.onsemi.com/pub_link/Collateral/425-04.PDF, DatasheetVersion="Rev. 12", Mounting Technology="Surface Mount", P Max (W)=0.5, PackageDescription="2-Pin SOD, Body 1.6 x 2.69 mm", PackageReference=SOD-123-2-425-04, PackageVersion="Rev. G, 10/2009", Packing="Tape and Reel", PartNumber=MMSZ5242BT1G, RoHS=Pb-Free, VZ Typ (V)=12
F1: library part CMP-08605-000032-1, "FUSE BOARD MNT 5A 32VAC/VDC 1206", Fuse Current=5A, Fuse Interrupt Ac Current=50A, Fuse Voltage Drop=73.75mV, Manufacturer="Littelfuse Inc", Max Fuse Ac Voltage=32V, Package=0466, Resistance=0.011Ω, Temperature="-55°C to +90°C", Temperature Range High=+90°C, Temperature Range Low=-55°C, Automotive=No, Category=Fuse, ComponentLink2Description=Datasheet, ComponentLink2URL=https://www.littelfuse.com/~/media/electronics/datasheets/fuses/littelfuse_fuse_466_datasheet.pdf.pdf, Device Class L1="Circuit Protection", Device Class L2=Fuses, Device Class L3=unset, Digikey Description="FUSE BOARD MNT 5A 32VAC/VDC 1206", Fuse Blow Speed=Fast, Fuse I2T=2.5A2Sec, Fuse Interrupt Dc Current=50A, Height=0.66mm, Lead Free=Yes, Manufacturer Part Number=0466005.NR, Max Fuse Dc Voltage=32V, Mouser Description="Surface Mount Fuses 32V 5A VFA Slimline", Octopart=https://octopart.com/0466005.nr-littelfuse-143206, RoHS=TRUE, Voltage Rating=32V
F2: library part CMP-2000-05664-1, "Fuse, 125 V, 10 A, -55 to 125 degC, 2-Pin SMD, RoHS, Tape and Reel", Current Rating=10A, Manufacturer=Littelfuse, Operating Temp Range=-55to+125°C, Package Description="2-Pin Surface Mount Device, Body 6.1 x 2.69 mm", Package Reference=45X, Working Voltage-Max=125V, Datasheet URL=http://www.littelfuse.com/products/fuses/surface-mount-fuses/nano-2-fuses/~/media/electronics/datasheets/fuses/littelfuse_fuse_451_453_datasheet.pdf.pdf, Datasheet Version=02/2016, Manufacturer URL=http://www.littelfuse.com/, Mounting Technology=SurfaceMount, Response Characteristic=VeryFastActing, Size=6.10x2.69mm
J1 J2: library part CMP-002-00076-2, "Headers & Wire Housings .050 Tiger Eye High-Reliability Locking Socket Strip"
J3 J4: library part CMP-002-00077-1, "Conn Shrouded Header (4 Sides) HDR 20 POS 1.27mm Solder ST Top Entry SMD TIGER EYE™ Tube"
L1 L2: library part CMP-14484-000406-1, "SMD Power Inductors 10uH ±20% 1.9A 84.5mΩ", Case/Package=2424, Current Rating=1.9A, DC Resistance (DCR)=84.5mR, Inductance=10uH, Inductance Tolerance=20%, Max Operating Temperature=120°C, Min Operating Temperature=-25°C, Package Quantity=2000, Resistor Type=Wirewound, Self Resonant Frequency=20MHz, Test Frequency=100kHz, Core Material=Ferrite, Halogen Free="Halogen Free", Height=2.8mm, Height - Seated (Max)=0.11inch, Lead Free="Lead Free", Length=0.236inch, Max DC Current=1.9A, Mount="Surface Mount", Number of Pins=2, Packaging="Tape and Reel", RMS Current (Irms)=1.9A, RoHS Compliant=Yes, Saturation Current=1.9A, Series=NR, Shielding=Shielded, Termination=SMD/SMT, Tolerance=20%, Width=6mm
L3 L4: library part CMP-02424-000785-1, "Commercial Inductors, Low DCR Series 22uH 5A 66mΩ 20%", Case/Package=4040, Current Rating=5A, DC Resistance (DCR)=66mR, Inductance=22uH, Inductance Tolerance=20%, Max DC Current=4.5A, Max Operating Temperature=125°C, Min Operating Temperature=-55°C, Package Quantity=1, Self Resonant Frequency=1MHz, Test Frequency=100kHz, Contact Plating=Tin, Core Material=Metal, Depth=10.3mm, Height=4mm, Height - Seated (Max)=0.157inch, Lead Free="Lead Free", Length=0.43inch, Military Standard=Not, Mount="Surface Mount", Packaging="Tape and Reel", Radiation Hardening=No, Rated Current-Max=5A, RMS Current (Irms)=5A, RoHS Compliant=Yes, Saturation Current=4.5A, Series=IHLP-4040DZ-11, Shielding=Shielded, Termination=SMD/SMT, Tolerance=20%, Width=0.405inch
P3: library part CMP-002-00079-1, "Conn Shrouded Header (4 Sides) HDR 6 POS 1.25mm Solder RA Side Entry SMD PicoBlade™ T/R"
PAD1 PAD2: library part CMP-002-00087-2, "Via stitched high current pad"
Q5 Q6: library part CMP-013-00036-2, "Trans MOSFET P-CH 20V 22.1A 8-Pin PowerPAK 1212 EP T/R"
R1 R6 R20 R21 R22 R26 R27 R29 R30 R33 R34 R37 R38: library part CMP-1012-00623-3, "Chip Resistor, 10 KOhm, +/- 1%, 0.1 W, -55 to 155 degC, 0603 (1608 Metric), RoHS, Tape and Reel", Case Code (Imperial)=0603, Case Code (Metric)=1608, Manufacturer=Panasonic, Max Operating Temperature=155degC, Max Power Dissipation=100mW, Min Operating Temperature=-55degC, Package Description="2-Pin Surface Mount Device, Body 1.6 x 0.85 mm", Package Quantity=1, Package Reference=603, Resistance=10KOhm, Temperature Coefficient=100ppm\/degreesC, Tolerance=1%, Voltage Rating=75V, Case\/Package=0603, Composition=ThickFilm, Contact Plating=Tin, Datasheet URL=https://industrial.panasonic.com/cdbs/www-data/pdf/RDA0000/AOA0000C304.pdf, Datasheet Version=02/2017, Depth=0.8mm, Height=0.45mm, Lead Free=LeadFree, Length=1.6mm, Manufacturer URL=http://www.panasonic.com/, Military Standard=Not, Mount=SurfaceMount, Mounting Technology=SurfaceMount, Number of Pins=2, Number of Terminations=2, Packaging=TapeandReel, Power Rating=100mW, Radiation Hardening=No, REACH SVHC=NoSVHC, RoHSCompliant=true, Termination=SMD/SMT, Voltage Rating (DC)=75V, Width=0.031inch